# Altium PCB FMC_SINGLE_LPC_R1R2R3_RUGGEDIZED_CONDUCTION_COOLED.PcbDoc
Units mm, origin at the board's own origin, x right, y up, seen from the top; angles counter-clockwise.
Board outline 84 x 69 mm, 2 copper layers (Component Side, Bottom Layer), stack 1.571 mm thick; 20 components, 1 nets, 187 pads, 0 vias.
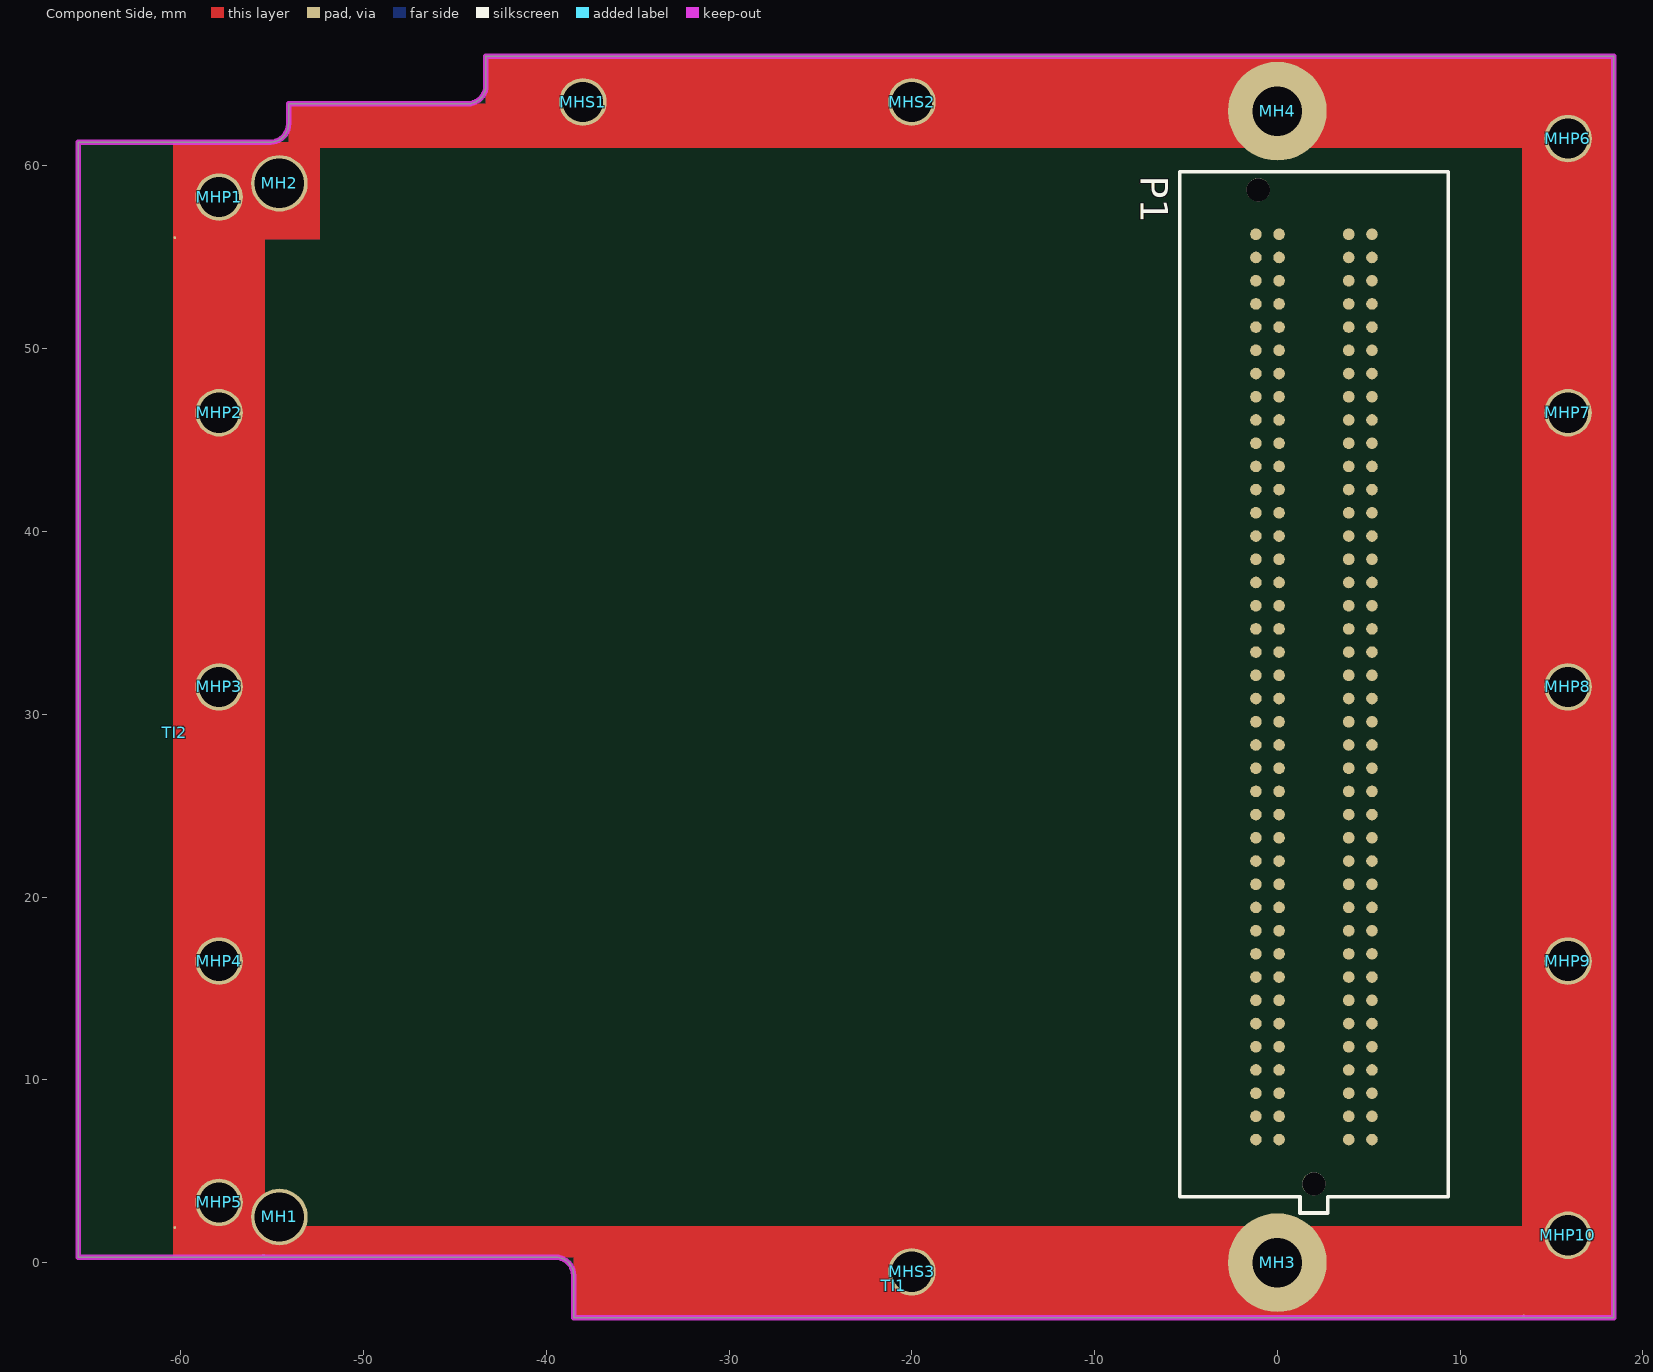
[diagram p0: Component Side view]
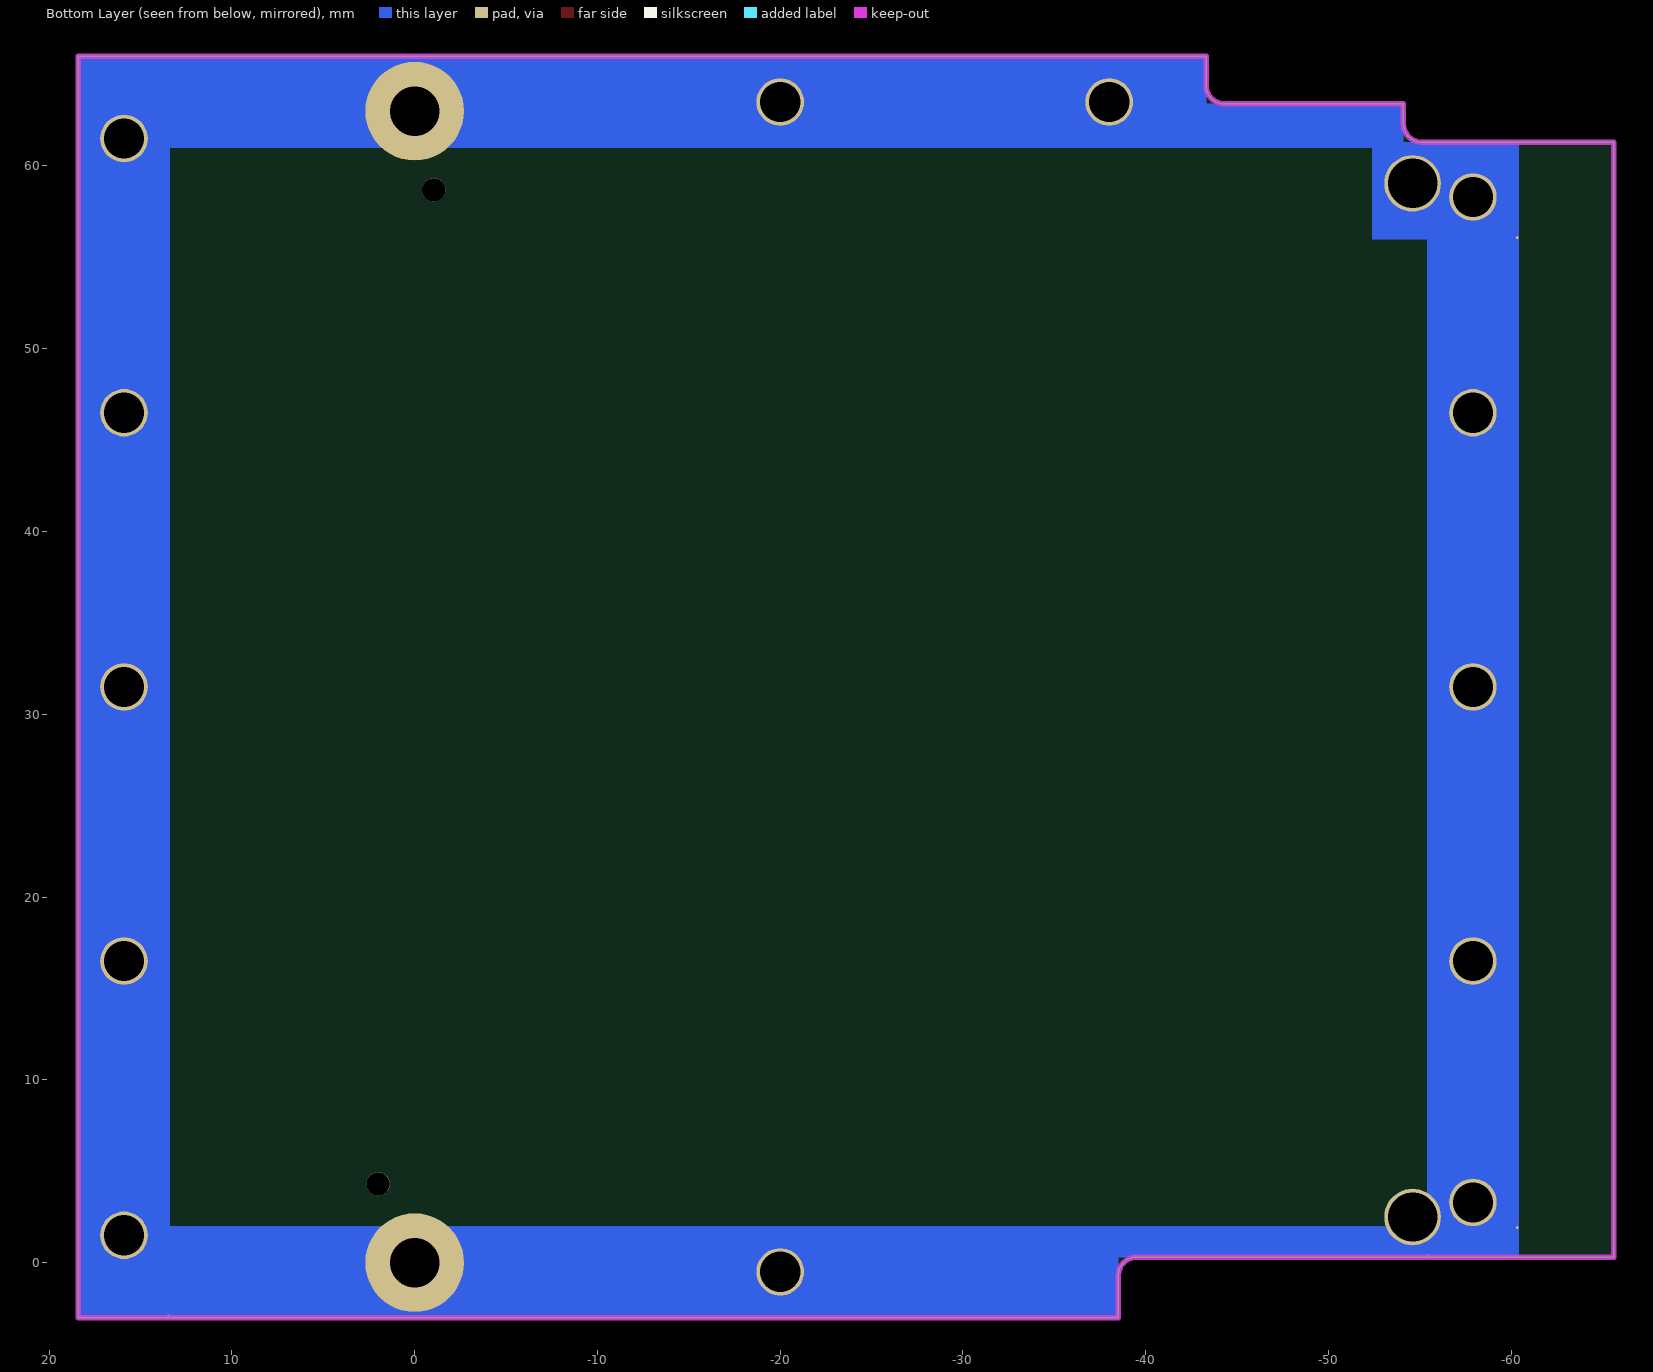
[diagram p1: Bottom Layer view, seen from below]

## Layer stack, top to bottom
Top Solder: solder mask 0.0102, Solder Resist, Dk 3.5
Component Side: signal copper 0.0356
Dielectric 1: core 1.5, FR-4, Dk 4.2
Bottom Layer: signal copper 0.0356
Solder Side: solder mask 0.0102, Solder Resist, Dk 3.5

## Board outline
-65.6,0.3 -65.6,61.3 -55.1,61.3 ccw(c-55.1,62.3) -54.1,62.3 -54.1,63.4 -44.3,63.4 ccw(c-44.3,64.4) -43.3,64.4 -43.3,66 18.4,66 18.4,-3 -38.5,-3 -38.5,-0.7 ccw(c-39.5,-0.7) -39.5,0.3

## Design rules (kind name [scope] priority, off if disabled: settings)
AcuteAngle [All] p1: minimum=6.00000000000000E+0001 checktracksonly=FALSE
Clearance Clearance_Keepout_Thermal [InNet('TGND') vs OnLayer('Keep-Out Layer')] p1: gap=0 ignorepadtopadclearanceinfootprint=FALSE
Clearance [All] p2: gap=0.152 ignorepadtopadclearanceinfootprint=FALSE
DiffPairsRouting [All] p1: maxlimit=10 minlimit=0.2 mostfreqgap=0.2 toplayer_minwidth=0.2 toplayer_maxwidth=10 toplayer_prefwidth=0.381 bottomlayer_minwidth=0.2 bottomlayer_maxwidth=10 bottomlayer_prefwidth=0.381 maxuncoupledlength=12.7
FabricationTestPointUsage FabricationTestPointUsage_1 [All] p1: valid=0 allowmultiple=FALSE
FabricationTestpoint FabricationTestpoint_1 [All] p1: side=3 testpointundercomponent=TRUE minsize=1.016 maxsize=2.54 preferedsize=1.524 minholesize=0 maxholesize=1.016 preferedholesize=0.813 testpointgrid=0.025 allowsidetop=TRUE allowsidebottom=TRUE usegrid=TRUE gridtolerance=0
HoleSize [All] p1: absolutevalues=TRUE maxlimit=6 minlimit=0.3 maxpercent=80.000 minpercent=20.000
HoleSize FabricationTestpoint [All] p2 off: absolutevalues=TRUE maxlimit=2.54 minlimit=0.025 maxpercent=80.000 minpercent=20.000
HoleSize FabricationTestPointUsage [All] p3 off: absolutevalues=TRUE maxlimit=2.54 minlimit=0.025 maxpercent=80.000 minpercent=20.000
HoleToHoleClearance [All] p1: gap=0.3 allowstackedmicrovias=TRUE
MinimumAnnularRing [All] p1: minimumring=0.15
MinimumSolderMaskSliver [All] p1: minsoldermaskwidth=0.05
PlaneClearance [All] p1: clearance=0.4
PlaneConnect [All] p1: planeconnectstyle=Direct reliefexpansion=0.4 reliefentries=4 reliefconductorwidth=0.15 reliefairgap=0.15
PolygonConnect [All] p1: connectstyle=Relief reliefconductorwidth=0.254 reliefentries=4 polygonreliefangle="90 Angle" airgapwidth=0.254
RoutingCorners [All] p1: cornerstyle=45-Degree minsetback=1.5 maxsetback=1.5
RoutingVias [All] p1: holewidth=0.3 width=0.6 viastyle="Through Hole" minholewidth=0.3 minwidth=0.45 maxholewidth=0.45 maxwidth=0.75
SilkToSolderMaskClearance [IsPad] p1: minsilkscreentomaskgap=0.1 clearancetoexposedcopper=TRUE
SolderMaskExpansion [All] p1: expansion=0.075
Width [All] p1: maxlimit=9.491 minlimit=0.151 preferedwidth=2.174 minimp=5.000000 maximp=125.000000 favimp=50.000000
20 further rules are at their usual default settings.

## Components (designator, comment, footprint, x,y, rotation, side; value= is the part's Value field where it differs from the comment)
MH1 "2.7mm" "Mounting_Hole_Plated_2.7mm - d3.1mm" -54.6,2.5 r0 top
MH2 "2.7mm" "Mounting_Hole_Plated_2.7mm - d3.1mm" -54.6,59.05 r0 top
MH3 "2.7mm" Mounting_Hole_Plated_2.7mm-COVERED 0,0 r0 top
MH4 "2.7mm" Mounting_Hole_Plated_2.7mm-COVERED 0,63 r0 top
MHP1 "2.2mm" Mounting_Hole_PLATED_2.2mm -57.9,58.3 r90 top
MHP2 "2.2mm" Mounting_Hole_PLATED_2.2mm -57.9,46.5 r90 top
MHP3 "2.2mm" Mounting_Hole_PLATED_2.2mm -57.9,31.5 r90 top
MHP4 "2.2mm" Mounting_Hole_PLATED_2.2mm -57.9,16.5 r90 top
MHP5 "2.2mm" Mounting_Hole_PLATED_2.2mm -57.9,3.3 r90 top
MHP6 "2.2mm" Mounting_Hole_PLATED_2.2mm 15.9,61.5 r90 top
MHP7 "2.2mm" Mounting_Hole_PLATED_2.2mm 15.9,46.5 r90 top
MHP8 "2.2mm" Mounting_Hole_PLATED_2.2mm 15.9,31.5 r90 top
MHP9 "2.2mm" Mounting_Hole_PLATED_2.2mm 15.9,16.5 r90 top
MHP10 "2.2mm" Mounting_Hole_PLATED_2.2mm 15.9,1.5 r90 top
MHS1 "2.2mm" Mounting_Hole_PLATED_2.2mm -38,63.5 r90 top
MHS2 "2.2mm" Mounting_Hole_PLATED_2.2mm -20,63.5 r90 top
MHS3 "2.2mm" Mounting_Hole_PLATED_2.2mm -20,-0.5 r90 top
P1 "MC-LPC-10" ASP-134604-01 2,31.5 r270 top
TI1 "Primary Thermal Interface" Primary_Thermal_Interface 0,0 r0 top locked
TI2 "Secondary Thermal Interface" Secondary_Thermal_Interface 0,0 r0 top locked

## Footprints (in the part's own frame and the unit in brackets; to place one, negate y for a bottom-side part, rotate by r counter-clockwise, add the part's x,y. Pads: shape width x height; smd on the part's side, far side on the other; paste and mask are expansions set on the pad)
ASP-134604-01 [mil] "MC-LPC-10, 1.27mm PITCH TERMINAL ARRAY ASSEMBLY, MALE, VITA 57 CONNECTOR"
  round 25 smd paste+5 mask+2: C1(975,125) C2(925,125) C3(875,125) C4(825,125) C5(775,125) C6(725,125) C7(675,125) C8(625,125) C9(575,125) C10(525,125) C11(475,125) C12(425,125) C13(375,125) C14(325,125) C15(275,125) C16(225,125) C17(175,125) C18(125,125) C19(75,125) C20(25,125) C21(-25,125) C22(-75,125) C23(-125,125) C24(-175,125) C25(-225,125) C26(-275,125) C27(-325,125) C28(-375,125) C29(-425,125) C30(-475,125) C31(-525,125) C32(-575,125) C33(-625,125) C34(-675,125) C35(-725,125) C36(-775,125) C37(-825,125) C38(-875,125) C39(-925,125) C40(-975,125) D1(975,75) D2(925,75) D3(875,75) D4(825,75) D5(775,75) D6(725,75) D7(675,75) D8(625,75) D9(575,75) D10(525,75) D11(475,75) D12(425,75) D13(375,75) D14(325,75) D15(275,75) D16(225,75) D17(175,75) D18(125,75) D19(75,75) D20(25,75) D21(-25,75) D22(-75,75) D23(-125,75) D24(-175,75) D25(-225,75) D26(-275,75) D27(-325,75) D28(-375,75) D29(-425,75) D30(-475,75) D31(-525,75) D32(-575,75) D33(-625,75) D34(-675,75) D35(-725,75) D36(-775,75) D37(-825,75) D38(-875,75) D39(-925,75) D40(-975,75) G1(975,-75) G2(925,-75) G3(875,-75) G4(825,-75) G5(775,-75) G6(725,-75) G7(675,-75) G8(625,-75) G9(575,-75) G10(525,-75) G11(475,-75) G12(425,-75) G13(375,-75) G14(325,-75) G15(275,-75) G16(225,-75) G17(175,-75) G18(125,-75) G19(75,-75) G20(25,-75) G21(-25,-75) G22(-75,-75) G23(-125,-75) G24(-175,-75) G25(-225,-75) G26(-275,-75) G27(-325,-75) G28(-375,-75) G29(-425,-75) G30(-475,-75) G31(-525,-75) G32(-575,-75) G33(-625,-75) G34(-675,-75) G35(-725,-75) G36(-775,-75) G37(-825,-75) G38(-875,-75) G39(-925,-75) G40(-975,-75) H1(975,-125) H2(925,-125) H3(875,-125) H4(825,-125) H5(775,-125) H6(725,-125) H7(675,-125) H8(625,-125) H9(575,-125) H10(525,-125) H11(475,-125) H12(425,-125) H13(375,-125) H14(325,-125) H15(275,-125) H16(225,-125) H17(175,-125) H18(125,-125) H19(75,-125) H20(25,-125) H21(-25,-125) H22(-75,-125) H23(-125,-125) H24(-175,-125) H25(-225,-125) H26(-275,-125) H27(-325,-125) H28(-375,-125) H29(-425,-125) H30(-475,-125) H31(-525,-125) H32(-575,-125) H33(-625,-125) H34(-675,-125) H35(-725,-125) H36(-775,-125) H37(-825,-125) H38(-875,-125) H39(-925,-125) H40(-975,-125)
  round 50 hole 50 unplated paste+0 mask+0: MH1(1070.5,0) MH2(-1070.5,-120)
  silkscreen extent -1110,-289 1133,289, body extent -1098,-289 1133,289, height 281
Mounting_Hole_PLATED_2.2mm [mm] "Mounting Hole, hole 2.2mm, diameter 2.6mm, Keepout R 1.35mm, plated"
  round 2.6 hole 2.2 mask+0: 0(0,0)
"Mounting_Hole_Plated_2.7mm - d3.1mm" [mm] "Mounting Hole, hole 2.7mm, diameter 3.1mm, Keepout R 3.2mm, plated"
  round 3.1 hole 2.7 mask+0: 0(0,0)
Mounting_Hole_Plated_2.7mm-COVERED [mm] "Mounting Hole, hole 2.7mm, diameter 5.4mm, Keepout R 2.9mm, plated, covered with solder mask"
  round 5.4 hole 2.7 mask+0.2: 0(0,0)
Primary_Thermal_Interface [mm] "Primary thermal interfaces for FMC module"
  round 0.152 smd paste-0.152 mask+0: 0(-55.48,0.38) 1(13.48,-2.92)
  round 0.152 smd far side paste-0.152 mask+0: 0(-55.48,0.38) 1(13.48,-2.92)
  Component Side region: 18.4,66 13.4,66 13.4,-3 18.4,-3
  Component Side region: -60.4,0.3 -60.4,61.3 -55.4,61.3 -55.4,0.3
  Bottom Layer region: 13.4,66 18.4,66 18.4,-3 13.4,-3
  Bottom Layer region: -60.4,61.3 -55.4,61.3 -55.4,0.3 -60.4,0.3
Secondary_Thermal_Interface [mm] "Secondary thermal interfaces for FMC module"
  round 0.152 smd paste-0.152 mask+0: 0(-60.32,56.08) 1(-60.32,1.92)
  round 0.152 smd far side paste-0.152 mask+0: 0(-60.32,56.08) 1(-60.32,1.92)
  Component Side region: 18.4,-3 18.4,2 -60.4,2 -60.4,0.3 -38.5,0.3 -38.5,-3
  Component Side region: 18.4,66 18.4,61 -52.4,61 -52.4,56 -60.4,56 -60.4,61.3 -54.1,61.3 -54.1,63.4 -43.3,63.4 -43.3,66
  Bottom Layer region: 18.4,-3 18.4,2 -60.4,2 -60.4,0.3 -38.5,0.3 -38.5,-3
  Bottom Layer region: 18.4,66 18.4,61 -52.4,61 -52.4,56 -60.4,56 -60.4,61.3 -54.1,61.3 -54.1,63.4 -43.3,63.4 -43.3,66

## Part data
MH1 MH2 MH3 MH4: library part Mounting_Hole_2.7mm, "Mounting hole, hole size 2.7mm", Hole radius="2.7 mm"
MHP1 MHP2 MHP3 MHP4 MHP5 MHP6 MHP7 MHP8 MHP9 MHP10 MHS1 MHS2 MHS3: library part Mounting_Hole_2.2mm, "Mounting hole, hole size 2.2mm", Hole radius="2.2 mm"
P1: "MC-LPC-10, FMC Low-pin count connector, lead free, 160 I/Os, male, 10 mm mated stack height", Manufacturer=Samtec, Manufacturer Ref=SEAM-40-03.5-S-10-2-A-K-TR-VITA57, PartName=ASP-134604-01, Supplier Part Number 1=SAM8732-ND, Gender=male, Mated Stack Height="10 mm", Number I/O=160, Part=ASP-134604-01, Pin Count=Low, Pitch="1.27 mm", Solder Type=Lead-Free, Supplier 1=Digi-Key, Vita PartNumber=MC-LPC-10
TI1: library part Primary_Thermal_Interface, "Primary Thermal Interface, left and right side"
TI2: library part Secondary_Thermal_Interface, "Secondary Thermal Interface, upper and lower side"

## Nets (pads, with @x,y where several pads share a name; then routed paths per layer and width w, separated by ;. In a path a pad name is that pad's centre, name@x,y a point inside that pad or via, vN(x,y) a via of type N, cw(c..) or ccw(c..) an arc to the next point about the centre after c; other vN are vias at no path point)
TGND: MH1.0 MH2.0 MH3.0 MH4.0 MHP1.0 MHP2.0 MHP3.0 MHP4.0 MHP5.0 MHP6.0 MHP7.0 MHP8.0 MHP9.0 MHP10.0 MHS1.0 MHS2.0 MHS3.0 TI1.0 TI1.1 TI2.0 TI2.1
pads on no net: P1.C1 P1.C2 P1.C3 P1.C4 P1.C5 P1.C6 P1.C7 P1.C8 P1.C9 P1.C10 P1.C11 P1.C12 P1.C13 P1.C14 P1.C15 P1.C16 P1.C17 P1.C18 P1.C19 P1.C20 P1.C21 P1.C22 P1.C23 P1.C24 P1.C25 P1.C26 P1.C27 P1.C28 P1.C29 P1.C30 P1.C31 P1.C32 P1.C33 P1.C34 P1.C35 P1.C36 P1.C37 P1.C38 P1.C39 P1.C40 P1.D1 P1.D2 P1.D3 P1.D4 P1.D5 P1.D6 P1.D7 P1.D8 P1.D9 P1.D10 P1.D11 P1.D12 P1.D13 P1.D14 P1.D15 P1.D16 P1.D17 P1.D18 P1.D19 P1.D20 P1.D21 P1.D22 P1.D23 P1.D24 P1.D25 P1.D26 P1.D27 P1.D28 P1.D29 P1.D30 P1.D31 P1.D32 P1.D33 P1.D34 P1.D35 P1.D36 P1.D37 P1.D38 P1.D39 P1.D40 P1.G1 P1.G2 P1.G3 P1.G4 P1.G5 P1.G6 P1.G7 P1.G8 P1.G9 P1.G10 P1.G11 P1.G12 P1.G13 P1.G14 P1.G15 P1.G16 P1.G17 P1.G18 P1.G19 P1.G20 P1.G21 P1.G22 P1.G23 P1.G24 P1.G25 P1.G26 P1.G27 P1.G28 P1.G29 P1.G30 P1.G31 P1.G32 P1.G33 P1.G34 P1.G35 P1.G36 P1.G37 P1.G38 P1.G39 P1.G40 P1.H1 P1.H2 P1.H3 P1.H4 P1.H5 P1.H6 P1.H7 P1.H8 P1.H9 P1.H10 P1.H11 P1.H12 P1.H13 P1.H14 P1.H15 P1.H16 P1.H17 P1.H18 P1.H19 P1.H20 P1.H21 P1.H22 P1.H23 P1.H24 P1.H25 P1.H26 P1.H27 P1.H28 P1.H29 P1.H30 P1.H31 P1.H32 P1.H33 P1.H34 P1.H35 P1.H36 P1.H37 P1.H38 P1.H39 P1.H40 P1.MH1 P1.MH2

## Keep-outs
Keep-Out Layer:
  lines w0.3: -43.3,66 18.4,66 18.4,-3 -38.5,-3 -38.5,-0.7 ccw(c-39.5,-0.7) -39.5,0.3 -65.6,0.3 -65.6,61.3 -55.1,61.3 ccw(c-55.1,62.3) -54.1,62.3 -54.1,63.4 -44.3,63.4 ccw(c-44.3,64.4) -43.3,64.4 -43.3,66 ; -43.3,66 -43.3,66

## Silkscreen, mask and mechanical layers (free items; w line width, h text height)
Mechanical 2:
  text "FMCHUB.COM" at -51.125,28.95 h7
  text "FMC module template / single width / ruggedized" at 23.525,-23.85 h7
Mechanical 14:
  drawing of 205 lines, arcs and shapes, not listed
  text "All dimensions are in mm." at -17.6,71.575 h1.52
  text "FMC single width / ------------------- / [x] Low-pin count / [ ] High-pin count / ------------------- / [x] Region 1 / [x] Region 2 / [x] Region 3 / ------------------- / [ ] Commercial grade / [x] Ruggedized / ------------------- / [ ] Air cooled / [x] Conduction cooled /       [x] Primary thermal interface /       [x] Secondary thermal interface" at 25,25.875 h1.52
  text "Layer" at 24.863,21.994 h1.52
  text "Name" at 35.275,21.994 h1.52
  text "Material" at 59.144,21.994 h1.52
  text "Thickness" at 80.983,21.994 h1.52
  text "Constant" at 97.488,21.994 h1.52
  text "Board Layer Stack" at 111.963,21.994 h1.52
  text "1" at 24.863,18.946 h1.52
  text "Top Overlay" at 35.275,18.946 h1.52
  text "2" at 24.863,15.898 h1.52
  text "Top Solder" at 35.275,15.898 h1.52
  text "Solder Resist" at 59.144,15.898 h1.52
  text "0,010mm" at 80.983,15.898 h1.52
  text "3,5" at 97.488,15.898 h1.52
  text "3" at 24.863,12.85 h1.52
  text "Component Side" at 35.275,12.85 h1.52
  text "Copper" at 59.144,12.85 h1.52
  text "0,036mm" at 80.983,12.85 h1.52
  text "4" at 24.863,9.802 h1.52
  text "Dielectric 1" at 35.275,9.802 h1.52
  text "FR-4" at 59.144,9.802 h1.52
  text "1,500mm" at 80.983,9.802 h1.52
  text "4,2" at 97.488,9.802 h1.52
  text "5" at 24.863,6.754 h1.52
  text "Bottom Layer" at 35.275,6.754 h1.52
  text "Copper" at 59.144,6.754 h1.52
  text "0,036mm" at 80.983,6.754 h1.52
  text "6" at 24.863,3.706 h1.52
  text "Solder Side" at 35.275,3.706 h1.52
  text "Solder Resist" at 59.144,3.706 h1.52
  text "0,010mm" at 80.983,3.706 h1.52
  text "3,5" at 97.488,3.706 h1.52
  text "7" at 24.863,0.658 h1.52
  text "Bottom Overlay" at 35.275,0.658 h1.52
Drill Drawing:
  circle w0.254: c-63.176,-19.088 r0.857
  lines w0.254: -64.033,-23.372 -63.604,-23.372 -63.604,-23.8 -62.748,-23.8 -62.748,-23.372 -62.319,-23.372 -62.319,-22.515 -62.748,-22.515 -62.748,-22.087 -63.604,-22.087 -63.604,-22.515 -64.033,-22.515 -64.033,-23.372 ; -64.033,-16.089 -62.319,-16.089 -62.319,-14.376 -64.033,-14.376 -64.033,-16.089 ; -63.69,-23.2 -63.433,-23.2 -63.433,-23.457 -62.919,-23.457 -62.919,-23.2 -62.662,-23.2 -62.662,-22.686 -62.919,-22.686 -62.919,-22.429 -63.433,-22.429 -63.433,-22.686 -63.69,-22.686 -63.69,-23.2
  lines w0.381: -65.569,-24.957 6.4,-24.957 ; -65.569,-13.39 6.4,-13.39 ; -51.419,-28.812 -51.419,-9.535 ; -37.807,-28.812 -37.807,-9.535 ; -7.75,-28.812 -7.75,-9.535 ; -65.569,-28.812 6.4,-28.812 6.4,-9.535 -65.569,-9.535 -65.569,-28.812
  text "Symbol" at -63.255,-12.234 h1.85
  text "Count" at -50.263,-12.234 h1.85
  text "Hole Size" at -36.65,-12.234 h1.85
  text "Plated" at -6.593,-12.234 h1.85
  text "2" at -50.263,-16.089 h1.54
  text "1,270mm (50,00mil)" at -36.65,-16.089 h1.54
  text "NPTH" at -6.593,-16.089 h1.54
  text "13" at -50.263,-19.945 h1.54
  text "2,200mm (86,61mil)" at -36.65,-19.945 h1.54
  text "PTH" at -6.593,-19.945 h1.54
  text "4" at -50.263,-23.8 h1.54
  text "2,700mm (106,30mil)" at -36.65,-23.8 h1.54
  text "PTH" at -6.593,-23.8 h1.54
  text "19 Total" at -50.263,-27.655 h1.54

## Dimensions
-65.6,61.3 to -54.1,63.4 on Mechanical 14
18.4,-3 to 18.4,66 on Mechanical 14
-65.6,61.3 to -65.6,0.3 on Mechanical 14
-65.6,0.3 to -38.5,-3 on Mechanical 14
-38.5,-3 to 18.4,-3 on Mechanical 14
-43.3,66 to -54.1,63.4 on Mechanical 14
-43.3,66 to 18.4,66 on Mechanical 14